# KiCad board PMK_Keyboard_02.kicad_pro.kicad_pcb
title: PMK_02_Sofle; date: 2024-06-15; rev: HW02
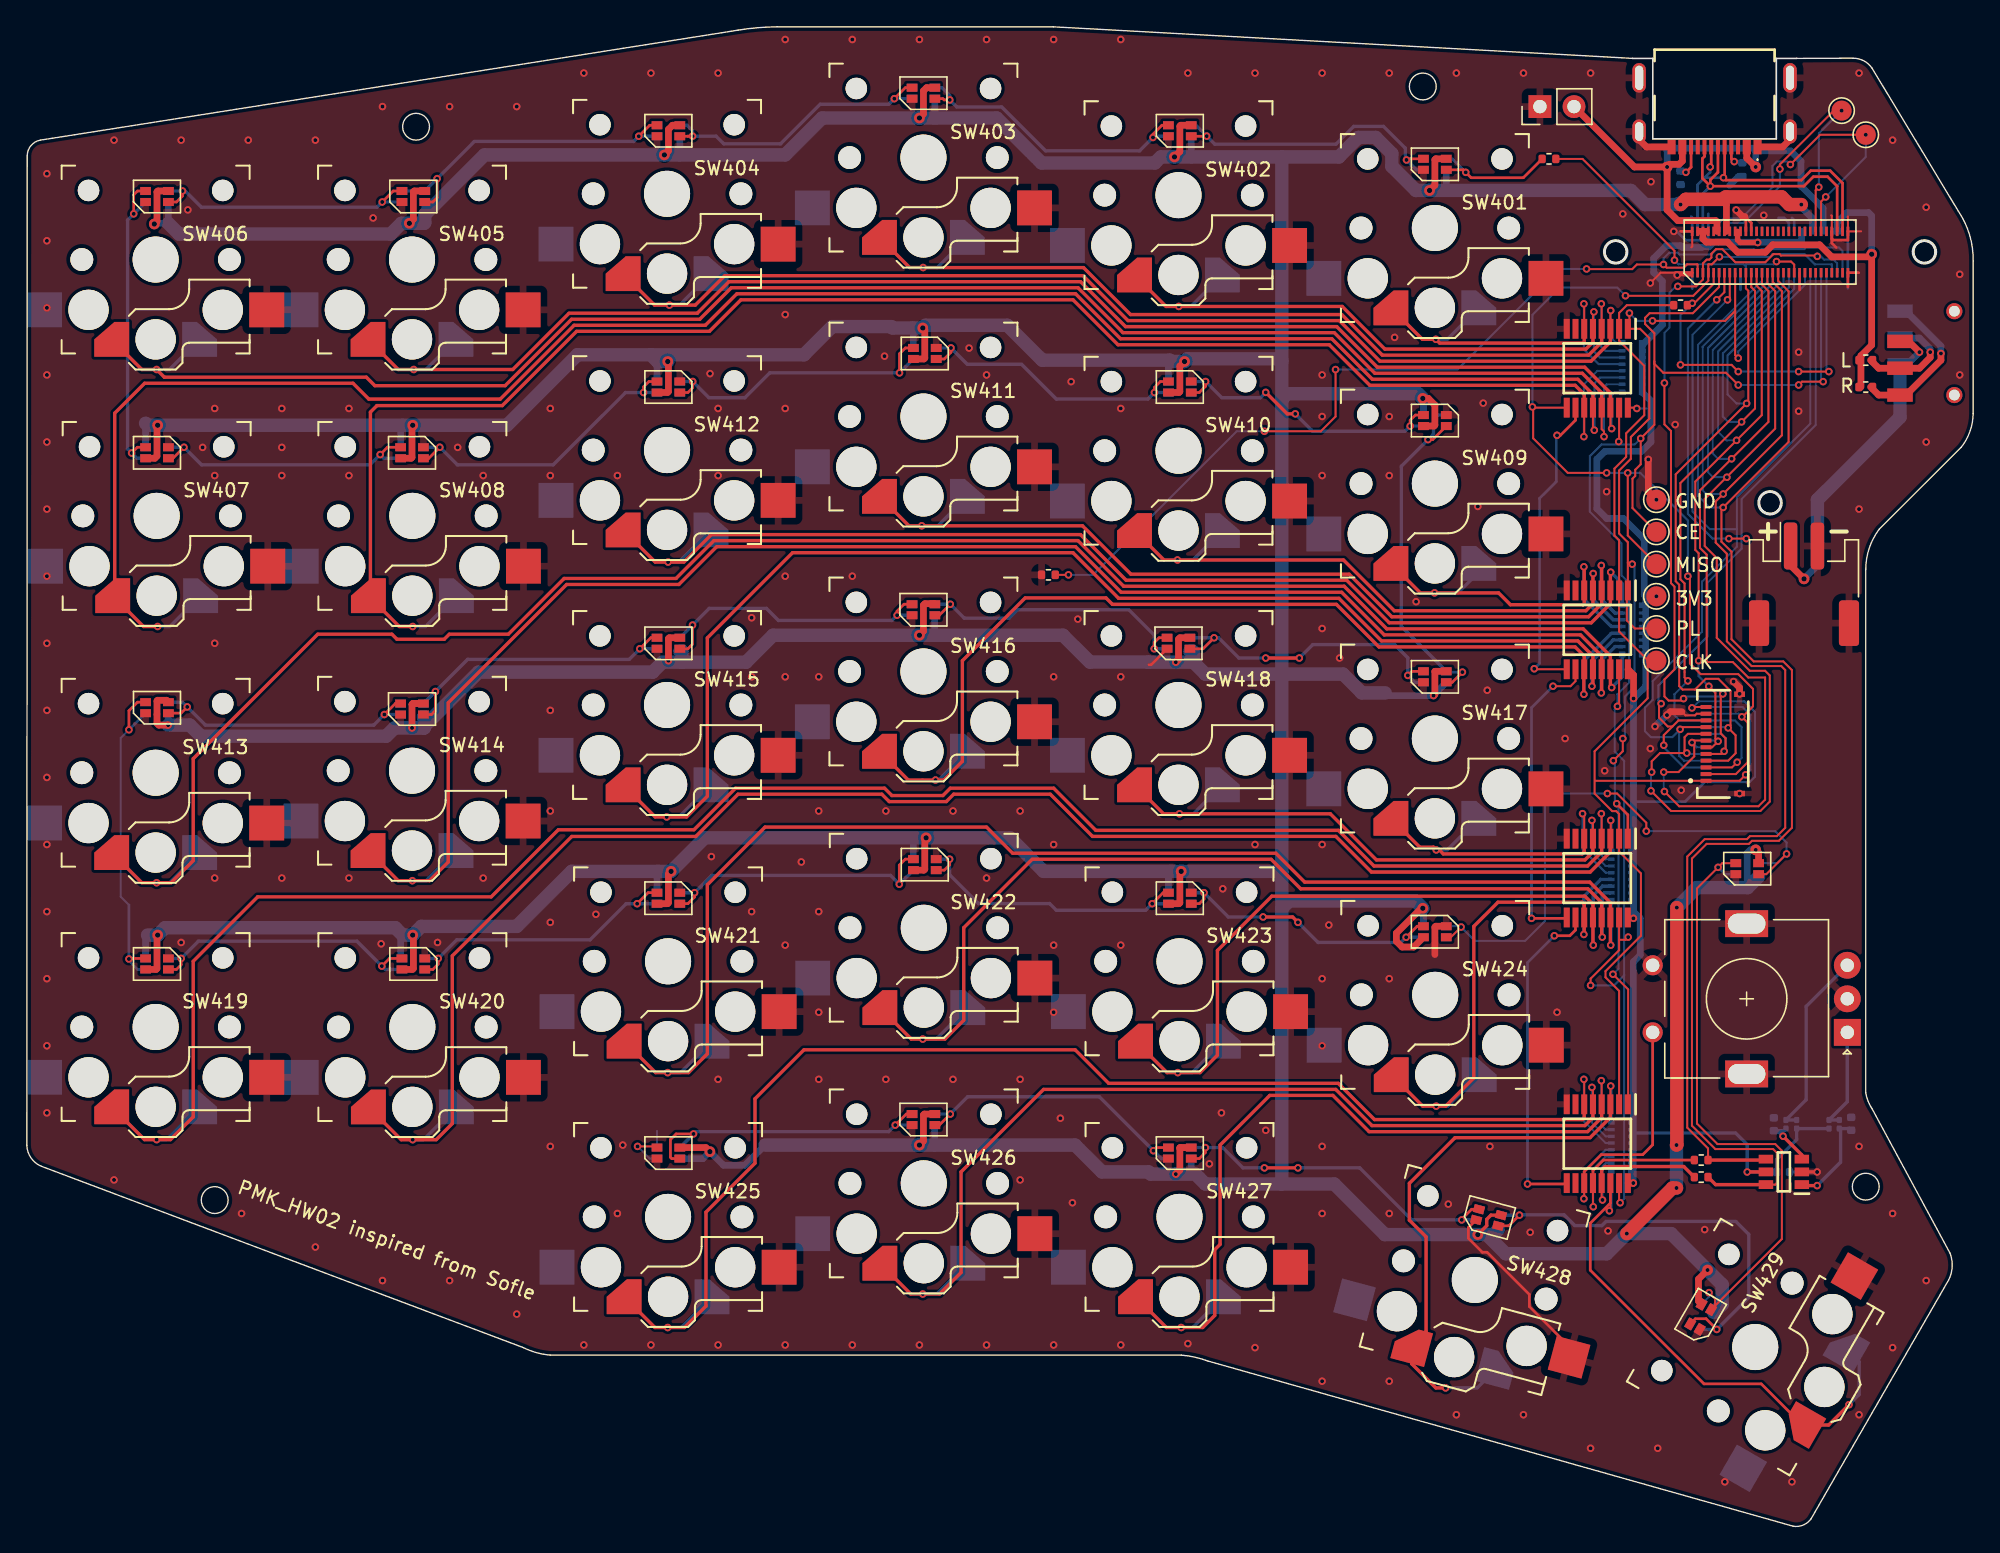
[diagram p0: board, top side]
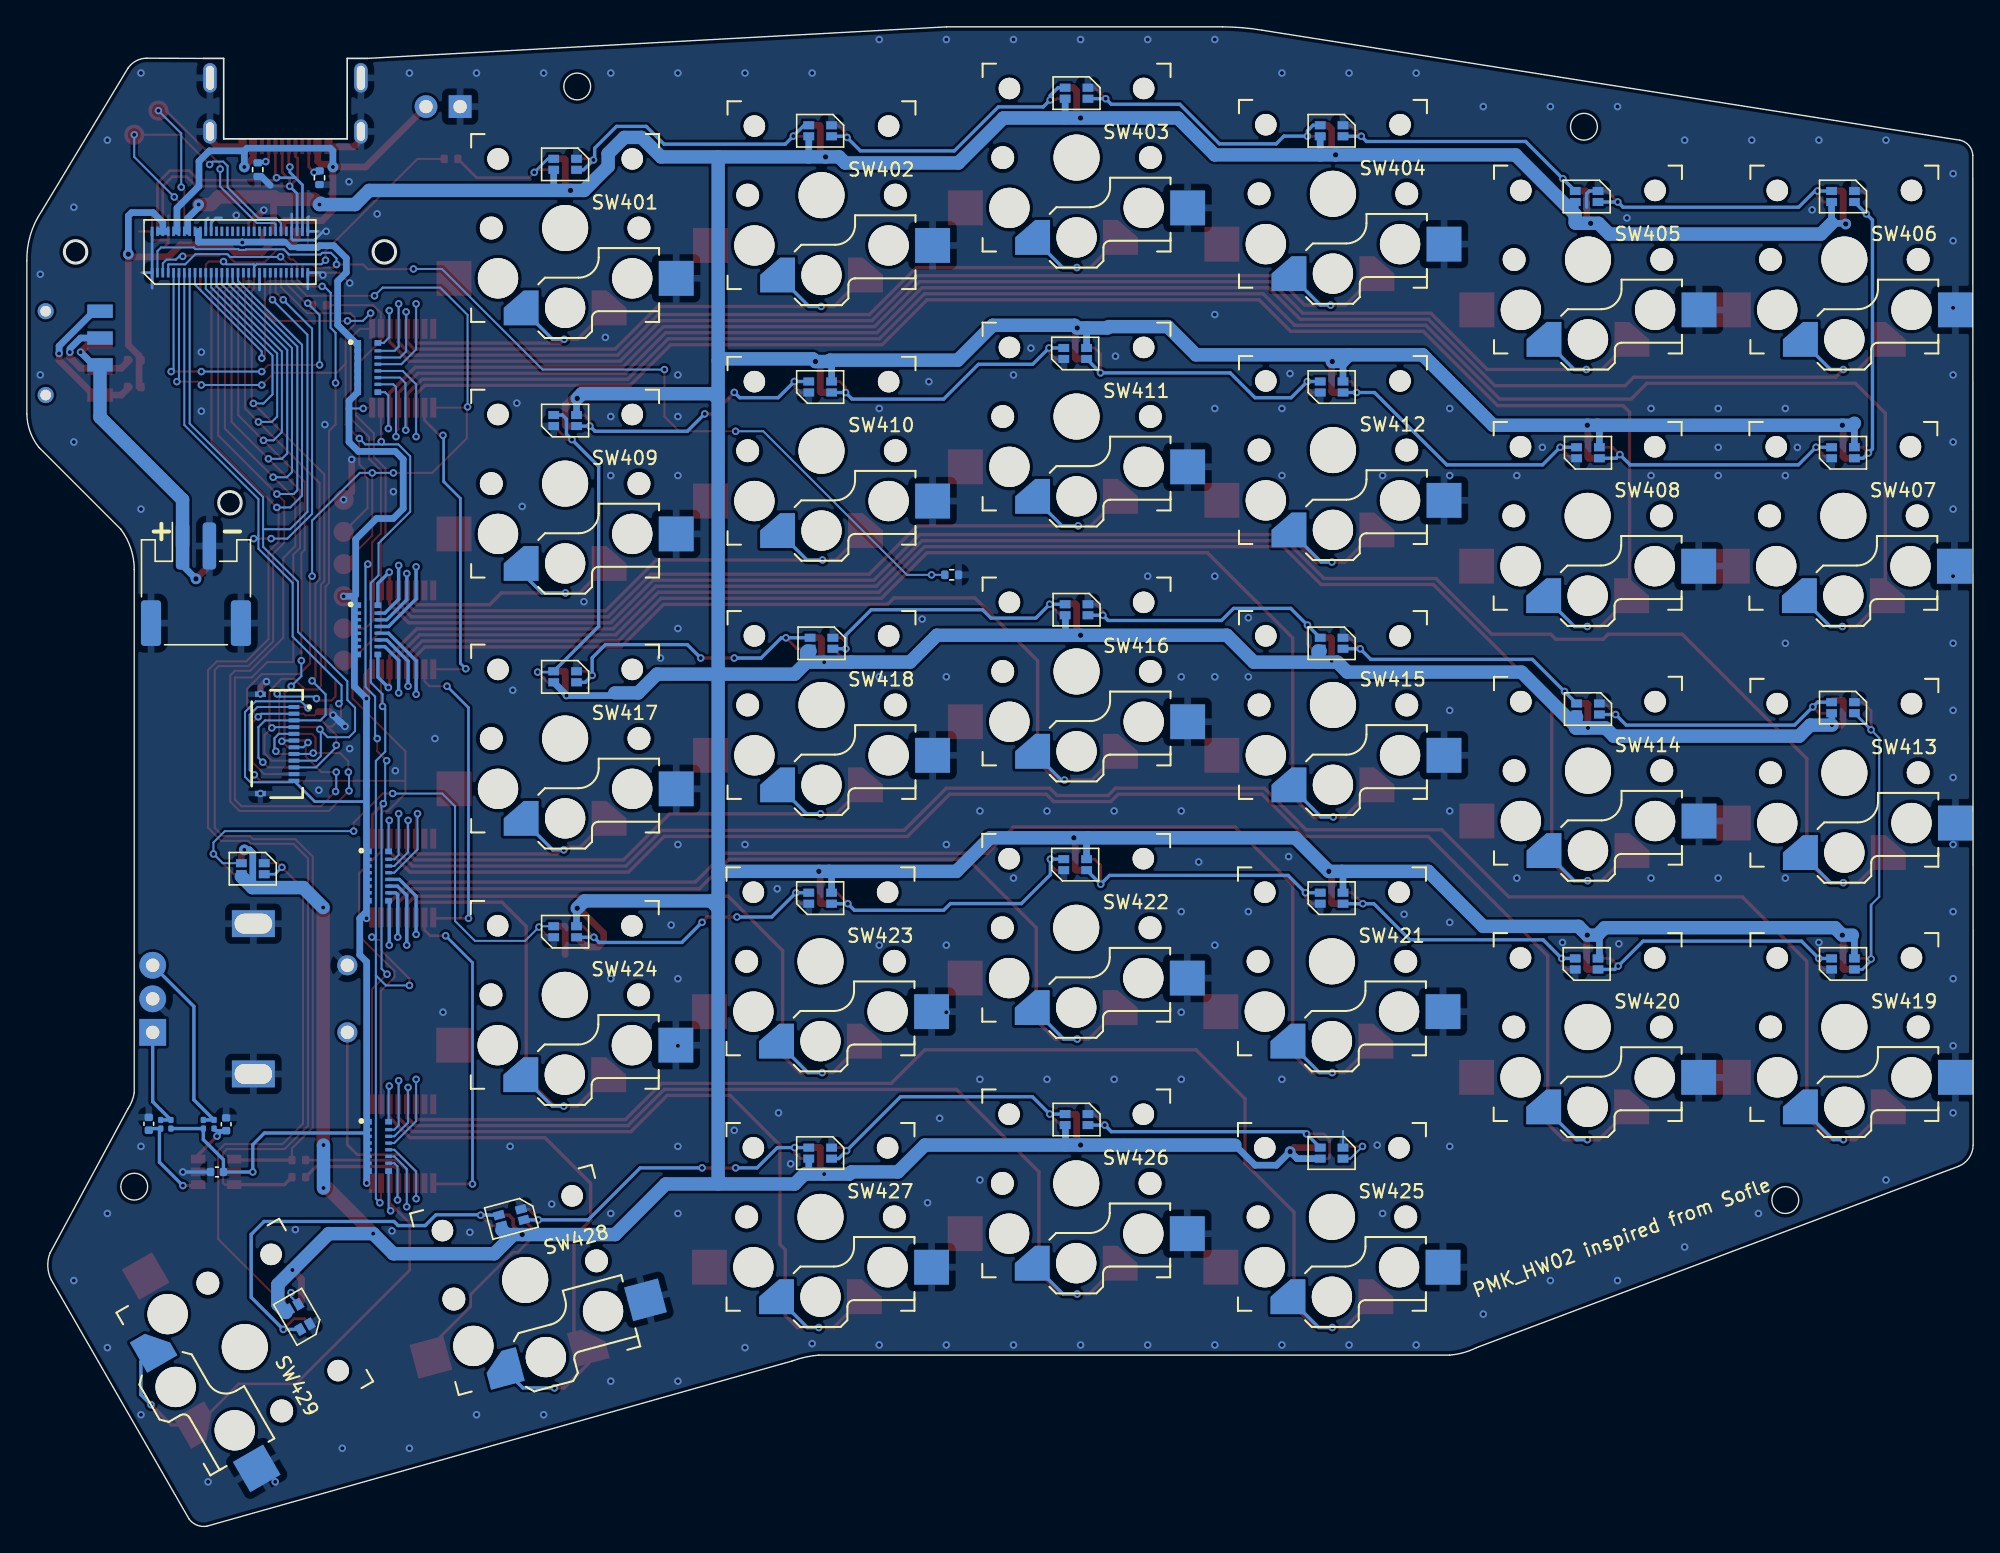
[diagram p1: board, bottom side, seen from below]

Outline 144.99 x 111.75 mm; copper layers: Top, Bottom. Coordinates in mm from the lower left corner of the outline.
Outline path: circle c13.99,24.3 r1 ; circle c28.99,104.3 r1 ; circle c103.99,107.3 r1 ; circle c118.36,94.97 r0.9 ; circle c129.86,76.27 r0.9 ; circle c136.99,25.3 r1 ; circle c141.36,94.97 r0.9 ; 119.63,109.4 76.47,111.75 55.89,111.75 arc(54.44,111.68) 52.99,111.5 0.99,103.3 arc(0.31,102.9) 0.03,102.17 0,28.4 arc(0.31,27.45) 1.08,26.82 36.99,13.3 arc(37.97,12.93) 38.99,12.75 85.99,12.75 arc(87.01,12.6) 87.99,12.3 131.57,0 arc(132.33,0.08) 132.92,0.55 143.17,18.35 arc(143.43,19.34) 143.27,20.35 137.47,31.1 arc(137.17,31.68) 136.99,32.3 136.99,71.3 arc(137.25,72.89) 137.99,74.3 144.09,80.4 arc(144.75,81.58) 144.99,82.9 144.99,94.3 arc(144.73,96.24) 143.89,98 137.46,108.67 arc(136.85,109.22) 136.04,109.41 131.83,109.4
Stack: Top 0.035mm / dielectric 1.51mm FR4 er 4.5 / Bottom 0.035mm

## Placement (name value [footprint] x y rotation side)
C401  10n  [C_0402_1005Metric]  135.91 29.99 90 bottom
C402  10n  [C_0402_1005Metric]  130.15 29.95 90 bottom
C403  100n  [C_0402_1005Metric]  130.83 26.4 0 bottom
D501  YF923_2020_WS2812_LED  [YF923_2020_WS2812_LED_DUALSIDE]  104.89 101.5 0 top
D502  YF923_2020_WS2812_LED  [YF923_2020_WS2812_LED_DUALSIDE]  85.89 104 0 top
D503  YF923_2020_WS2812_LED  [YF923_2020_WS2812_LED_DUALSIDE]  66.79 106.8 0 top
D504  YF923_2020_WS2812_LED  [YF923_2020_WS2812_LED_DUALSIDE]  47.79 104 0 top
D505  YF923_2020_WS2812_LED  [YF923_2020_WS2812_LED_DUALSIDE]  28.79 99.1 0 top
D506  YF923_2020_WS2812_LED  [YF923_2020_WS2812_LED_DUALSIDE]  9.69 99.1 0 top
D507  YF923_2020_WS2812_LED  [YF923_2020_WS2812_LED_DUALSIDE]  9.69 80 180 top
D508  YF923_2020_WS2812_LED  [YF923_2020_WS2812_LED_DUALSIDE]  28.69 80 180 top
D509  YF923_2020_WS2812_LED  [YF923_2020_WS2812_LED_DUALSIDE]  47.79 84.9 180 top
D510  YF923_2020_WS2812_LED  [YF923_2020_WS2812_LED_DUALSIDE]  66.89 87.4 180 top
D511  YF923_2020_WS2812_LED  [YF923_2020_WS2812_LED_DUALSIDE]  85.89 84.9 180 top
D512  YF923_2020_WS2812_LED  [YF923_2020_WS2812_LED_DUALSIDE]  104.89 82.4 180 top
D513  YF923_2020_WS2812_LED  [YF923_2020_WS2812_LED_DUALSIDE]  104.89 63.3 0 top
D514  YF923_2020_WS2812_LED  [YF923_2020_WS2812_LED_DUALSIDE]  85.79 65.8 0 top
D515  YF923_2020_WS2812_LED  [YF923_2020_WS2812_LED_DUALSIDE]  66.79 68.3 0 top
D516  YF923_2020_WS2812_LED  [YF923_2020_WS2812_LED_DUALSIDE]  47.79 65.8 0 top
D517  YF923_2020_WS2812_LED  [YF923_2020_WS2812_LED_DUALSIDE]  28.69 60.9 0 top
D518  YF923_2020_WS2812_LED  [YF923_2020_WS2812_LED_DUALSIDE]  9.69 61 0 top
D519  YF923_2020_WS2812_LED  [YF923_2020_WS2812_LED_DUALSIDE]  9.69 41.9 180 top
D520  YF923_2020_WS2812_LED  [YF923_2020_WS2812_LED_DUALSIDE]  28.79 41.9 180 top
D521  YF923_2020_WS2812_LED  [YF923_2020_WS2812_LED_DUALSIDE]  47.79 46.8 180 top
D522  YF923_2020_WS2812_LED  [YF923_2020_WS2812_LED_DUALSIDE]  66.89 49.3 180 top
D523  YF923_2020_WS2812_LED  [YF923_2020_WS2812_LED_DUALSIDE]  85.89 46.8 180 top
D524  YF923_2020_WS2812_LED  [YF923_2020_WS2812_LED_DUALSIDE]  104.89 44.3 180 top
D525  YF923_2020_WS2812_LED  [YF923_2020_WS2812_LED_DUALSIDE#2]  124.69 15.6 60 top
D526  YF923_2020_WS2812_LED  [YF923_2020_WS2812_LED_DUALSIDE]  108.89 23 345 top
D527  YF923_2020_WS2812_LED  [YF923_2020_WS2812_LED_DUALSIDE]  85.89 27.8 0 top
D528  YF923_2020_WS2812_LED  [YF923_2020_WS2812_LED_DUALSIDE]  66.79 30.3 0 top
D529  YF923_2020_WS2812_LED  [YF923_2020_WS2812_LED_DUALSIDE]  47.79 27.8 0 top
D530  YF923_2020_WS2812_LED  [YF923_2020_WS2812_LED_DUALSIDE]  128.16 49 0 top
J201  PSoM_ESP32S2_Carrier_Board  [PSoM_ESP32S2_00]  129.86 94.97 180 top
J202  PSoM_ESP32S2_Carrier_Board  [PSoM_ESP32S2_00]  129.86 94.97 0 bottom
J301  USB4510-03-1-A  [USB4510031A]  125.73 106.8 180 top
J302  Conn_01x02  [PinHeader_1x02_P2.54mm_Vertical]  112.72 105.8 90 top
J303  S2B-PH-SM4-TB  [JST_PH_S2B-PH-SM4-TB_1x02-1MP_P2.00mm_Horizontal_DUALSIDE]  132.39 70.2 180 bottom
J304  FFC2B28-12-G  [GCT_FFC2B28-12-G]  126.34 58.3 90 top
J305  FFC2B28-12-G  [GCT_FFC2B28-12-G]  126.34 58.3 270 bottom
R201  R  [R_0402_1005Metric]  113.39 101.9 180 top
R202  R  [R_0402_1005Metric]  123.19 91 180 top
R303  5.1k  [R_0402_1005Metric]  123.19 100.5 270 bottom
R304  5.1k  [R_0402_1005Metric]  127.79 101.1 270 bottom
R305  0  [R_0402_1005Metric]  136.99 84.9 180 top
R306  0  [R_0402_1005Metric]  136.99 86.9 180 top
R401  10k  [R_0201_0603Metric]  134.26 29.95 270 bottom
R402  10k  [R_0201_0603Metric]  135.02 29.95 90 bottom
R403  10k  [R_0201_0603Metric]  131.85 29.95 270 bottom
R404  10k  [R_0201_0603Metric]  131.05 29.95 90 bottom
R405  R  [R_0402_1005Metric]  124.73 26.02 180 top  (not fitted)
R406  R  [R_0402_1005Metric]  124.73 27.29 180 top  (not fitted)
RN401  EXB-2HV103JV  [EXB2HV_1]  119.59 86.35 270 bottom
RN402  EXB-2HV103JV  [EXB2HV_1]  119.59 66.8 270 bottom
RN403  EXB-2HV103JV  [EXB2HV_1]  118.79 48.45 270 bottom
RN404  EXB-2HV103JV  [EXB2HV_1]  118.79 28.3 270 bottom
SW301  450405020524  [450405020524_DUALSIDE]  140.49 84.3 90 top
SW401  SW_Push  [Kailh_socket_PG1350_reversible_V1V2]  104.89 96.75 0 top
SW402  SW_Push  [Kailh_socket_PG1350_reversible_V1V2]  85.79 99.2 0 top
SW403  SW_Push  [Kailh_socket_PG1350_reversible_V1V2]  66.79 102 0 top
SW404  SW_Push  [Kailh_socket_PG1350_reversible_V1V2]  47.69 99.3 0 top
SW405  SW_Push  [Kailh_socket_PG1350_reversible_V1V2]  28.69 94.4 0 top
SW406  SW_Push  [Kailh_socket_PG1350_reversible_V1V2]  9.59 94.4 0 top
SW407  SW_Push  [Kailh_socket_PG1350_reversible_V1V2]  9.67 75.3 0 top
SW408  SW_Push  [Kailh_socket_PG1350_reversible_V1V2]  28.72 75.3 0 top
SW409  SW_Push  [Kailh_socket_PG1350_reversible_V1V2]  104.89 77.7 0 top
SW410  SW_Push  [Kailh_socket_PG1350_reversible_V1V2]  85.79 80.15 0 top
SW411  SW_Push  [Kailh_socket_PG1350_reversible_V1V2]  66.79 82.7 0 top
SW412  SW_Push  [Kailh_socket_PG1350_reversible_V1V2]  47.69 80.2 0 top
SW413  SW_Push  [Kailh_socket_PG1350_reversible_V1V2]  9.59 56.15 0 top
SW414  SW_Push  [Kailh_socket_PG1350_reversible_V1V2]  28.69 56.3 0 top
SW415  SW_Push  [Kailh_socket_PG1350_reversible_V1V2]  47.69 61.2 0 top
SW416  SW_Push  [Kailh_socket_PG1350_reversible_V1V2]  66.79 63.7 0 top
SW417  SW_Push  [Kailh_socket_PG1350_reversible_V1V2]  104.89 58.7 0 top
SW418  SW_Push  [Kailh_socket_PG1350_reversible_V1V2]  85.79 61.2 0 top
SW419  SW_Push  [Kailh_socket_PG1350_reversible_V1V2]  9.59 37.2 0 top
SW420  SW_Push  [Kailh_socket_PG1350_reversible_V1V2]  28.72 37.2 0 top
SW421  SW_Push  [Kailh_socket_PG1350_reversible_V1V2]  47.77 42.1 0 top
SW422  SW_Push  [Kailh_socket_PG1350_reversible_V1V2]  66.82 44.6 0 top
SW423  SW_Push  [Kailh_socket_PG1350_reversible_V1V2]  85.87 42.1 0 top
SW424  SW_Push  [Kailh_socket_PG1350_reversible_V1V2]  104.92 39.6 0 top
SW425  SW_Push  [Kailh_socket_PG1350_reversible_V1V2]  47.77 23.05 0 top
SW426  SW_Push  [Kailh_socket_PG1350_reversible_V1V2]  66.82 25.55 0 top
SW427  SW_Push  [Kailh_socket_PG1350_reversible_V1V2]  85.87 23.05 0 top
SW428  SW_Push  [Kailh_socket_PG1350_reversible_V1V2]  107.87 18.35 345 top
SW429  SW_Push  [Kailh_socket_PG1350_reversible_V1V2]  128.76 13.35 60 top
SW430  -  [RIC11-22S10D5S-TH]  135.62 36.7 180 top
TH201  Thermistor_NTC  [R_0402_1005Metric]  76.1 70.9 180 top
TH202  Thermistor_NTC  [R_0402_1005Metric]  76.09 70.9 180 bottom
TP201  3V3  [TestPoint_Pad_D1.5mm]  121.39 69.3 0 top
TP202  PL  [TestPoint_Pad_D1.5mm]  121.39 66.9 0 top
TP203  SR_CE  [TestPoint_Pad_D1.5mm]  121.39 74.1 0 top
TP204  SPI_CLK  [TestPoint_Pad_D1.5mm]  121.39 64.5 0 top
TP205  MISO  [TestPoint_Pad_D1.5mm]  121.39 71.7 0 top
TP206  RX  [TestPoint_Pad_D1.5mm]  135.19 105.5 0 top
TP207  TX  [TestPoint_Pad_D1.5mm]  136.99 103.7 0 top
TP208  GND  [TestPoint_Pad_D1.5mm]  121.39 76.5 0 top
U401  SN74HC165PWR  [SOP65P640X120-16N]  116.99 86.3 270 top
U402  SN74HC165PWR  [SOP65P640X120-16N]  116.99 66.8 270 top
U403  SN74HC165PWR  [SOP65P640X120-16N]  116.99 48.3 270 top
U404  SN74HC165PWR  [SOP65P640X120-16N]  116.99 28.5 270 top
U405  SN74LVC2G04DBVRG4  [SOP95P280X145-6N]  130.89 26.4 180 top

## Library data of the parts
C401-C403 = -: Description: Unpolarized capacitor; ki_fp_filters: C_*
D501-D530 = -: Datasheet: https://fr.aliexpress.com/item/4000770210584.html?spm=a2g0o.order_list.order_list_main.4.702f5e5bJqEWkF&gatewayAdapt=glo2fra; ki_fp_filters: LED*IN-PI554FCH*PLCC*5.0x5.0mm*P3.2mm*
J201 J202 = -: Datasheet: https://www.mouser.ch/ProductDetail/Hirose-Connector/DF40C-60DS-04V51?qs=eDUdFcBPps0%252B%252BrqDQtiLyw%3D%3D
J301 = -: Datasheet: https://gct.co/files/drawings/usb4510.pdf; Description: USB Connectors USB C Rec 16P 3u" Mid Mnt 1.6mm O-set SMT L = 6.5mm S-Spring; Height: 3.36; Manufacturer_Name: GCT (GLOBAL CONNECTOR TECHNOLOGY); Mouser Part Number: 640-USB4510031A; Mouser Price/Stock: https://www.mouser.co.uk/ProductDetail/GCT/USB4510-03-1-A?qs=7D1LtPJG0i3iod3O3OZ7LA%3D%3D
J302 = -: Description: Generic connector, single row, 01x02, script generated (kicad-library-utils/schlib/autogen/connector/); ki_fp_filters: Connector*:*_1x??_*
J303 = -: Datasheet: https://www.digikey.ch/de/products/detail/jst-sales-america-inc./S2B-PH-SM4-TB/926846?utm_adgroup=General&utm_source=google&utm_medium=cpc&utm_campaign=Shopping_Product_All%20%28Catch-up%29&utm_term=&productid=926846&utm_content=General&utm_id=go_cmp-17998691427_adg-142975836667_ad-615797033692_pla-293946777986_dev-c_ext-_prd-926846_sig-CjwKCAiA_aGuBhACEiwAly57MUivoDja23i39S08pqlBL_hz8j8Q1-EzZKUcIjgt6XCmc5HoJvPWRxoCrIMQAvD_BwE&gad_source=1&gclid=CjwKCAiA_aGuBhACEiwAly57MUivoDja23i39S08pqlBL_hz8j8Q1-EzZKUcIjgt6XCmc5HoJvPWRxoCrIMQAvD_BwE; ki_fp_filters: Connector*:*_1x??-1MP*
J304 J305 = -: DigiKey_Part_Number: 2073-FFC2B28-12-GTR-ND; MF: Global Connector Technology; MAXIMUM_PACKAGE_HEIGHT: 1.75mm; Package: None; Check_prices: https://www.snapeda.com/parts/FFC2B28-12-G/Global+Connector+Technology/view-part/?ref=eda; STANDARD: Manufacturer Recommendations; PARTREV: A; SnapEDA_Link: https://www.snapeda.com/parts/FFC2B28-12-G/Global+Connector+Technology/view-part/?ref=snap; Purchase-URL: https://www.snapeda.com/api/url_track_click_mouser/?unipart_id=4223061&manufacturer=Global Connector Technology&part_name=FFC2B28-12-G&search_term=ffc2b28-12-g; Description_1: 12 Position FFC, FPC Connector Contacts, Top and Bottom 0.020 (0.50mm) Surface Mount, Right Angle; MANUFACTURER: GCT
R201 R202 R303-R306 = -: ki_fp_filters: R_*
R401-R406 = -: Description: Resistor; ki_fp_filters: R_*
RN401-RN404 = -: Datasheet: https://industrial.panasonic.com/cdbs/www-data/pdf/AOC0000/AOC0000C14.pdf; Description: Resistor Networks & Arrays 10K OHM 5%; Manufacturer_Name: Panasonic; Mouser Part Number: 667-EXB-2HV103JV; Mouser Price/Stock: https://www.mouser.co.uk/ProductDetail/Panasonic/EXB-2HV103JV?qs=oE3VwAv%2FYtnxG1PkyhflFQ%3D%3D
SW301 = -: Datasheet: https://www.mouser.ch/ProductDetail/710-450405020524; ki_fp_filters: SW*DPDT*
SW430 = -: Datasheet: https://www.mouser.ch/ProductDetail/CUI-Devices/RIC11-22S10D5S-TH?qs=HoCaDK9Nz5fxypdms%252BmQUg%3D%3D; ki_fp_filters: RotaryEncoder*Switch*
TH201 TH202 = -: Datasheet: https://www.mouser.ch/ProductDetail/Vishay-BC-Components/NTCS0402E3473GXT?qs=8wHch9UpSva8flR6dht9RA%3D%3D; ki_fp_filters: *NTC* *Thermistor* PIN?ARRAY* bornier* *Terminal?Block* R_*
TP201-TP208 = -: ki_fp_filters: Pin* Test*
U401-U404 = -: Datasheet: http://www.ti.com/lit/gpn/sn74hc165; Description: 8-BIT PARALLEL-LOAD SHIFT REGISTERS; Height: 1.2; Manufacturer_Name: Texas Instruments; Mouser Part Number: 595-SN74HC165PWR; Mouser Price/Stock: https://www.mouser.co.uk/ProductDetail/Texas-Instruments/SN74HC165PWR?qs=6aLkNDRfRUZJuqbBwGFbQw%3D%3D
U405 = -: Datasheet: http://www.ti.com/lit/ds/symlink/sn74lvc2g04.pdf; Description: Inverters Dual Inverter; Height: 1.45; Mouser Part Number: 595-74LVC2G04DBVRG4; Mouser Price/Stock: https://www.mouser.co.uk/ProductDetail/Texas-Instruments/SN74LVC2G04DBVRG4?qs=glQR3cLZh260tFicjpfSow%3D%3D; Manufacturer_Name: Texas Instruments

## Footprints (pads in the part's own frame, mm; a bottom-side part is the same pattern mirrored in y, then rotated)
450405020524_DUALSIDE
  rect 1x1.9 smd: 1(0,0.95) 2(2,0.95) 3(4,0.95)
  rect 1x1.9 smd far side: 1(6.25,0.95) 2(4.25,0.95) 3(2.25,0.95)
  round 1.2 hole 0.8: MH(0,-3.1) MH(6.25,-3.1)
C_0402_1005Metric
  rrect 0.56x0.62 smd: 1(-0.48,0) 2(0.48,0)
EXB2HV_1
  rect 0.425x0.5 smd: 1(-1.837,-0.75) 8(1.837,-0.75) 9(1.837,0.75) 16(-1.837,0.75)
  rect 0.25x0.5 smd: 2(-1.25,-0.75) 3(-0.75,-0.75) 4(-0.25,-0.75) 5(0.25,-0.75) 6(0.75,-0.75) 7(1.25,-0.75) 10(1.25,0.75) 11(0.75,0.75) 12(0.25,0.75) 13(-0.25,0.75) 14(-0.75,0.75) 15(-1.25,0.75)
GCT_FFC2B28-12-G
  rect 0.3x0.8 smd: 1(-2.75,1.25) 2(-2.25,1.25) 3(-1.75,1.25) 4(-1.25,1.25) 5(-0.75,1.25) 6(-0.25,1.25) 7(0.25,1.25) 8(0.75,1.25) 9(1.25,1.25) 10(1.75,1.25) 11(2.25,1.25) 12(2.75,1.25)
  rect 0.4x0.8 smd: S1(-3.7,-1.25) S2(3.7,-1.25)
JST_PH_S2B-PH-SM4-TB_1x02-1MP_P2.00mm_Horizontal_DUALSIDE
  rrect 1x3.5 smd: 1(-1,2.85) 2(1,2.85)
  rrect 1x3.5 smd far side: 1(1,2.85) 2(-1,2.85)
  rrect 1.5x3.4 smd far side: MP(-3.35,-2.9) MP(3.35,-2.9)
  rrect 1.5x3.4 smd: MP(-3.35,-2.9) MP(3.35,-2.9)
Kailh_socket_PG1350_reversible_V1V2
  round 1.702 hole 1.8 unplated: (-5.5,0) (5.5,0)
  round 1.6 hole 1.6 unplated: (-5,5.15) (5,5.15)
  round 3 hole 3 unplated: (-5,-3.75) (0,-5.95) (5,-3.75)
  round 3.429 hole 3.429 unplated: (0,0)
  custom 2.601x2.601 smd: 1(-3.275,-5.95)
  custom 2.601x2.601 smd far side: 1(3.275,-5.95)
  rect 2.6x2.6 smd far side: 2(-8.275,-3.75)
  rect 2.6x2.6 smd: 2(8.275,-3.75)
PinHeader_1x02_P2.54mm_Vertical
  rect 1.7x1.7 hole 1: 1(0,0)
  oval 1.7x1.7 hole 1: 2(0,-2.54)
PSoM_ESP32S2_00
  rect 0.2x0.7 smd: 1(5.8,1.55) 2(5.8,-1.53) 3(5.4,1.55) 4(5.4,-1.53) 5(5,1.55) 6(5,-1.53) 7(4.6,1.55) 8(4.6,-1.53) 9(4.2,1.55) 10(4.2,-1.53) 11(3.8,1.55) 12(3.8,-1.53) 13(3.4,1.55) 14(3.4,-1.53) 15(3,1.55) 16(3,-1.53) 17(2.6,1.55) 18(2.6,-1.53) 19(2.2,1.55) 20(2.2,-1.53) 21(1.8,1.55) 22(1.8,-1.53) 23(1.4,1.55) 24(1.4,-1.53) 25(1,1.55) 26(1,-1.53) 27(0.6,1.55) 28(0.6,-1.53) 29(0.2,1.55) 30(0.2,-1.53) 31(-0.2,1.55) 32(-0.2,-1.53) 33(-0.6,1.55) 34(-0.6,-1.53) 35(-1,1.55) 36(-1,-1.53) 37(-1.4,1.55) 38(-1.4,-1.53) 39(-1.8,1.55) 40(-1.8,-1.53) 41(-2.2,1.55) 42(-2.2,-1.53) 43(-2.6,1.55) 44(-2.6,-1.53) 45(-3,1.55) 46(-3,-1.53) 47(-3.4,1.55) 48(-3.4,-1.53) 49(-3.8,1.55) 50(-3.8,-1.53) 51(-4.2,1.55) 52(-4.2,-1.53) 53(-4.6,1.55) 54(-4.6,-1.53) 55(-5,1.55) 56(-5,-1.53) 57(-5.4,1.55) 58(-5.4,-1.53) 59(-5.8,1.55) 60(-5.8,-1.53)
R_0201_0603Metric
  rrect 0.318x0.36 smd: (-0.345,0) (0.345,0)
  rrect 0.46x0.4 smd: 1(-0.32,0) 2(0.32,0)
R_0402_1005Metric
  rrect 0.54x0.64 smd: 1(-0.51,0) 2(0.51,0)
RIC11-22S10D5S-TH
  rect 2x2 hole 1: A(0,-0.1)
  round 2 hole 1: B(0,-5.1) C(0,-2.6)
  rect 3.2x2 hole 2.8x1.5: MP(7.5,3) MP(7.5,-8.2)
  round 1.5 hole 1: S1(14.5,-5.1) S2(14.5,-0.1)
SOP65P640X120-16N
  rect 1.475x0.45 smd: 1(-2.938,2.275) 2(-2.938,1.625) 3(-2.938,0.975) 4(-2.938,0.325) 5(-2.938,-0.325) 6(-2.938,-0.975) 7(-2.938,-1.625) 8(-2.938,-2.275) 9(2.938,-2.275) 10(2.938,-1.625) 11(2.938,-0.975) 12(2.938,-0.325) 13(2.938,0.325) 14(2.938,0.975) 15(2.938,1.625) 16(2.938,2.275)
SOP95P280X145-6N
  rect 1.075x0.65 smd: 1(-1.338,0.95) 2(-1.338,0) 3(-1.338,-0.95) 4(1.338,-0.95) 5(1.338,0) 6(1.338,0.95)
TestPoint_Pad_D1.5mm
  round 1.5 smd: 1(0,0)
USB4510031A
  rect 0.6x1.1 smd: A1(-3.2,4) A4(-2.4,4) A9(2.4,4) A12(3.2,4)
  rect 0.3x1.1 smd: A5(-1.25,4) A6(-0.25,4) A7(0.25,4) A8(1.25,4) B5(1.75,4) B6(0.75,4) B7(-0.75,4) B8(-1.75,4)
  oval 1x1.8 hole 0.6x1.4: MH1(-5.62,2.85) MH4(5.62,2.85)
  oval 1x2.2 hole 0.6x1.8: MH2(-5.62,-1.15) MH3(5.62,-1.15)
YF923_2020_WS2812_LED_DUALSIDE
  rect 0.8x0.6 smd far side: 1(-0.85,0.41) 2(0.85,-0.41) 3(0.85,0.41) 4(-0.85,-0.41)
  rect 0.8x0.6 smd: 1(-0.85,-0.41) 2(0.85,0.41) 3(0.85,-0.41) 4(-0.85,0.41)
YF923_2020_WS2812_LED_DUALSIDE#2
  rect 0.8x0.6 smd: 1(-0.85,-0.41) 2(0.85,0.41) 3(0.85,-0.41) 4(-0.85,0.41)
  rect 0.8x0.6 smd far side: 1(-0.85,0.41) 2(0.85,-0.41) 3(0.85,0.41) 4(-0.85,-0.41)
